# KiCad board NS32016-BC.kicad_pcb (continued)
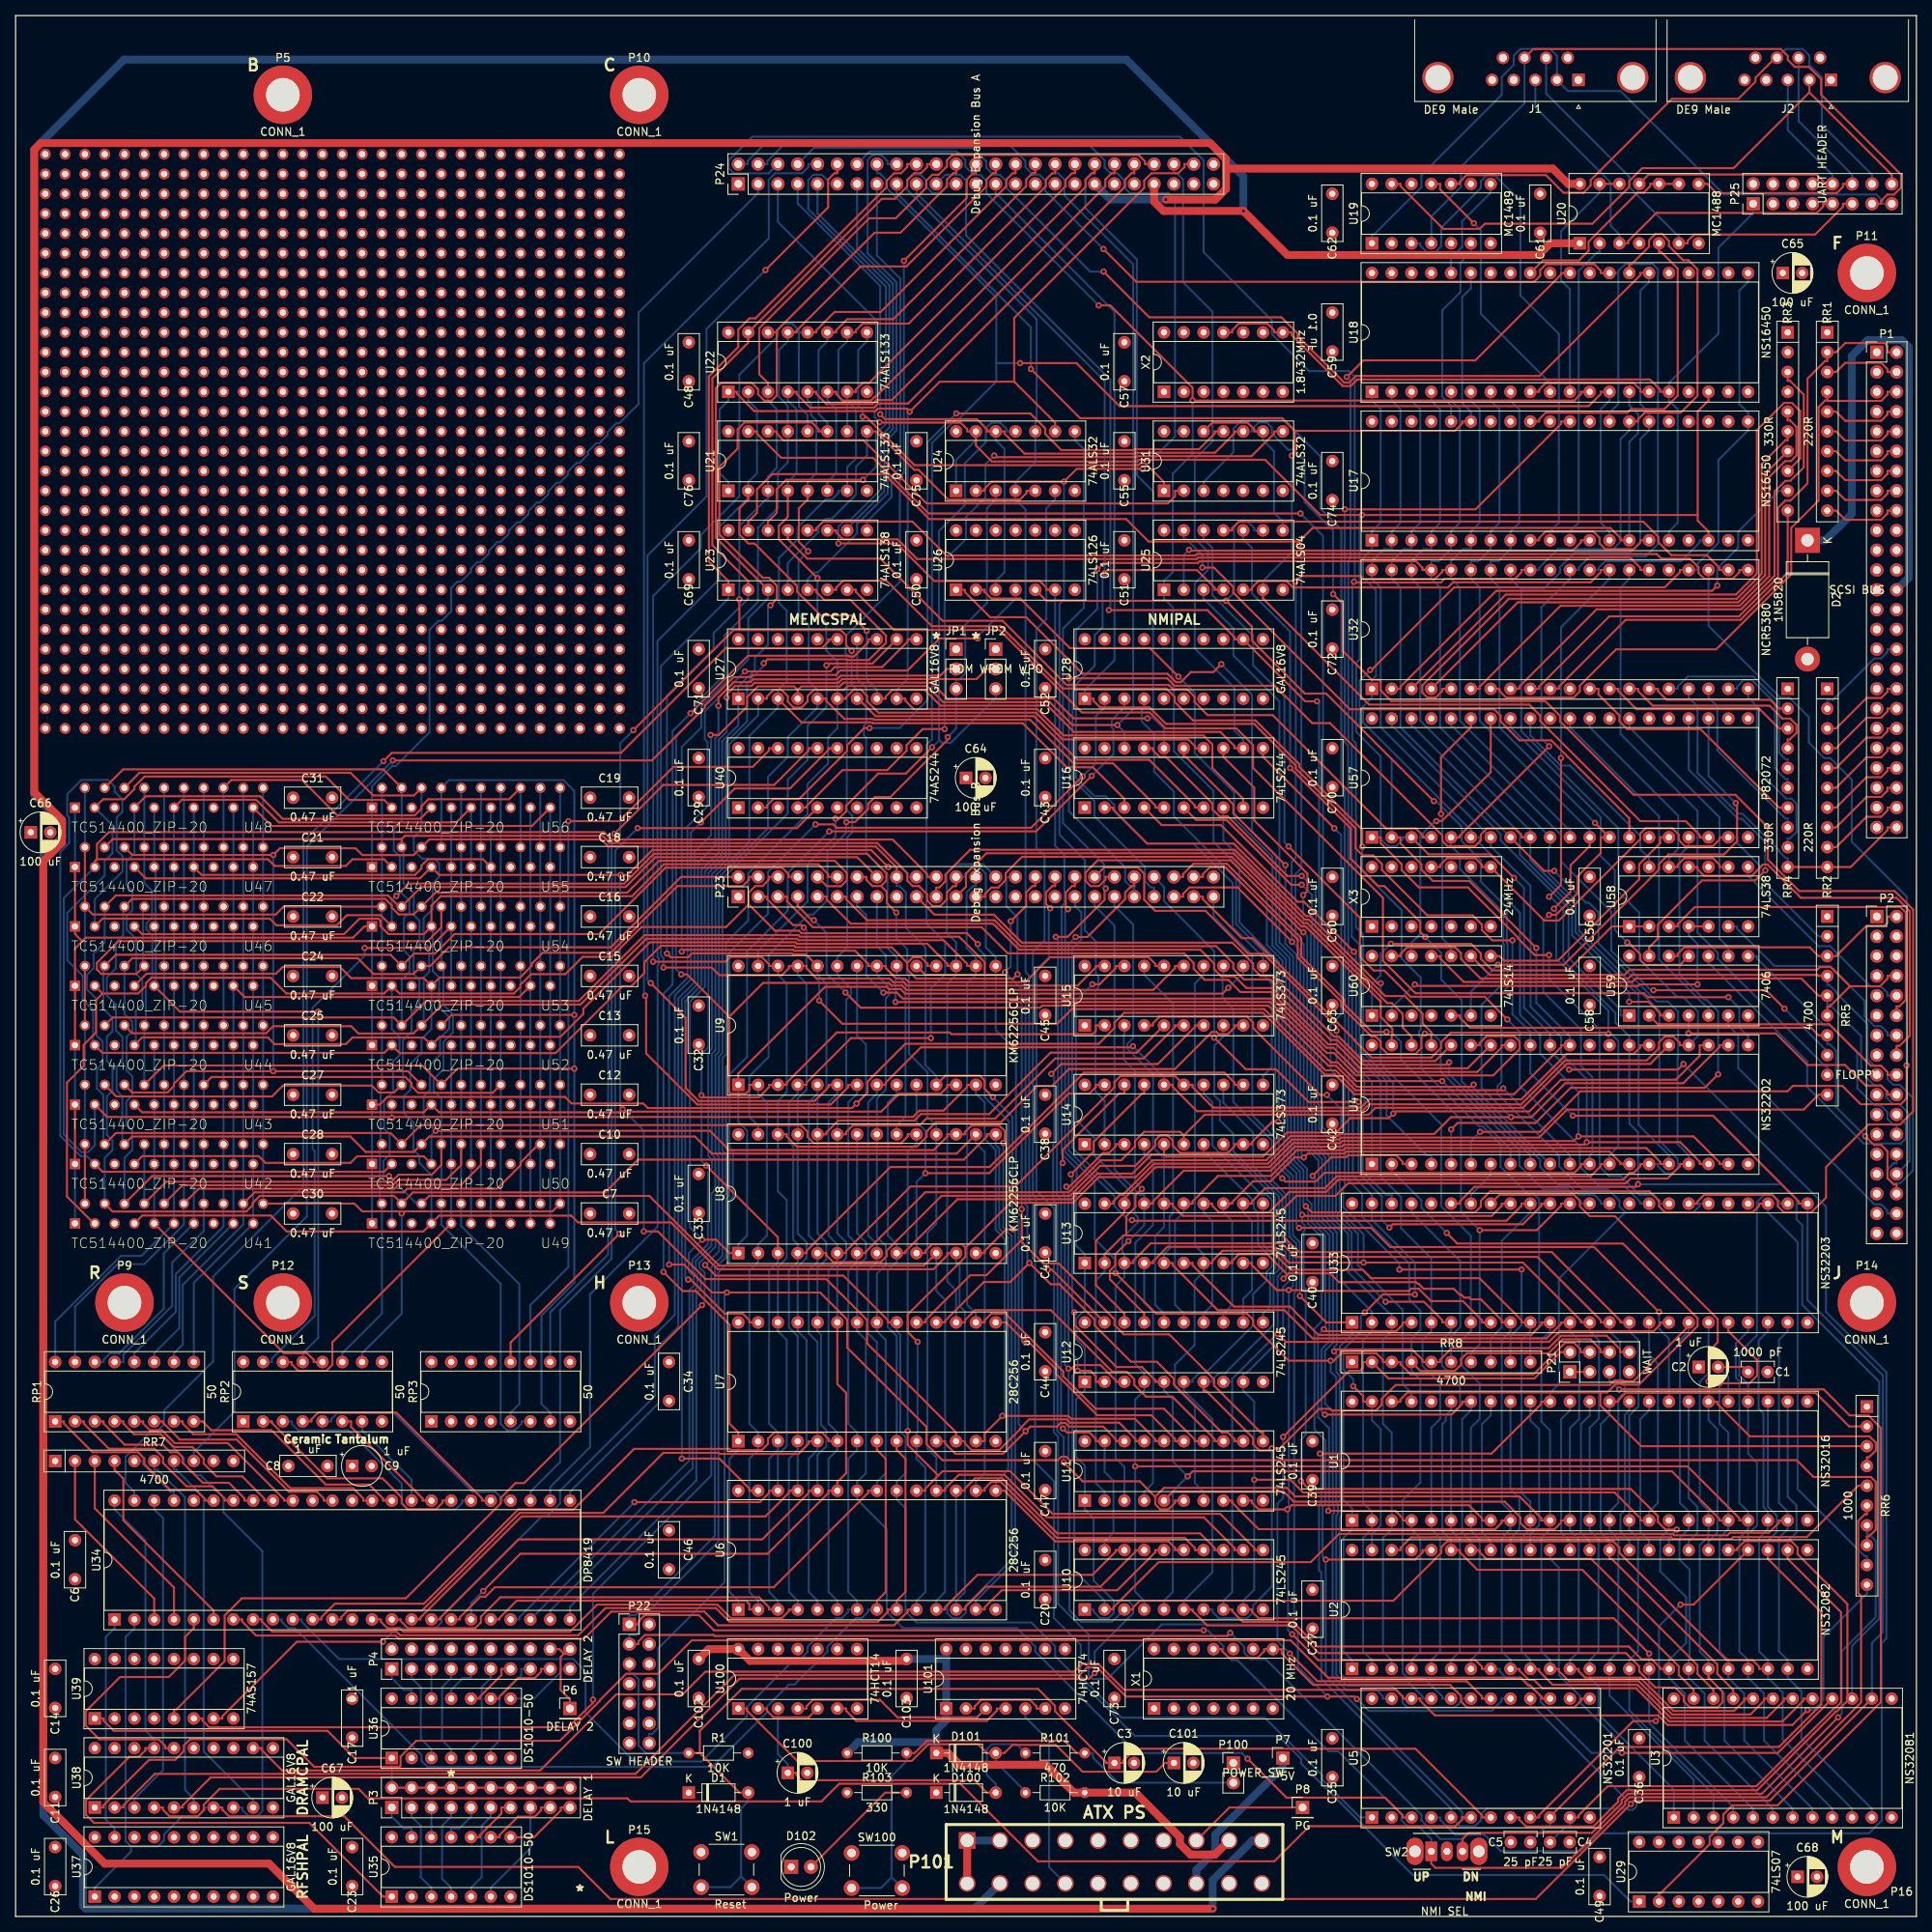
[diagram p0: board, top side]
## Footprints (pads in the part's own frame, mm; a bottom-side part is the same pattern mirrored in y, then rotated) (continued)
  round 1.397 hole 0.813: 1(-17.78,17.78) A2(-15.24,17.78) A3(-12.7,17.78) A4(-10.16,17.78) A5(-7.62,17.78) A6(-5.08,17.78) A7(-2.54,17.78) A8(0,17.78) A9(2.54,17.78) A10(5.08,17.78) A11(7.62,17.78) A12(10.16,17.78) A13(12.7,17.78) A14(15.24,17.78) A15(17.78,17.78) B1(-17.78,15.24) B2(-15.24,15.24) B3(-12.7,15.24) B4(-10.16,15.24) B5(-7.62,15.24) B6(-5.08,15.24) B7(-2.54,15.24) B8(0,15.24) B9(2.54,15.24) B10(5.08,15.24) B11(7.62,15.24) B12(10.16,15.24) B13(12.7,15.24) B14(15.24,15.24) B15(17.78,15.24) C1(-17.78,12.7) C2(-15.24,12.7) C3(-12.7,12.7) C4(-10.16,12.7) C5(-7.62,12.7) C6(-5.08,12.7) C7(-2.54,12.7) C8(0,12.7) C9(2.54,12.7) C10(5.08,12.7) C11(7.62,12.7) C12(10.16,12.7) C13(12.7,12.7) C14(15.24,12.7) C15(17.78,12.7) D1(-17.78,10.16) D2(-15.24,10.16) D3(-12.7,10.16) D4(-10.16,10.16) D5(-7.62,10.16) D6(-5.08,10.16) D7(-2.54,10.16) D8(0,10.16) D9(2.54,10.16) D10(5.08,10.16) D11(7.62,10.16) D12(10.16,10.16) D13(12.7,10.16) D14(15.24,10.16) D15(17.78,10.16) E1(-17.78,7.62) E2(-15.24,7.62) E3(-12.7,7.62) E4(-10.16,7.62) E5(-7.62,7.62) E6(-5.08,7.62) E7(-2.54,7.62) E8(0,7.62) E9(2.54,7.62) E10(5.08,7.62) E11(7.62,7.62) E12(10.16,7.62) E13(12.7,7.62) E14(15.24,7.62) E15(17.78,7.62) F1(-17.78,5.08) F2(-15.24,5.08) F3(-12.7,5.08) F4(-10.16,5.08) F5(-7.62,5.08) F6(-5.08,5.08) F7(-2.54,5.08) F8(0,5.08) F9(2.54,5.08) F10(5.08,5.08) F11(7.62,5.08) F12(10.16,5.08) F13(12.7,5.08) F14(15.24,5.08) F15(17.78,5.08) G1(-17.78,2.54) G2(-15.24,2.54) G3(-12.7,2.54) G4(-10.16,2.54) G5(-7.62,2.54) G6(-5.08,2.54) G7(-2.54,2.54) G8(0,2.54) G9(2.54,2.54) G10(5.08,2.54) G11(7.62,2.54) G12(10.16,2.54) G13(12.7,2.54) G14(15.24,2.54) G15(17.78,2.54) H1(-17.78,0) H2(-15.24,0) H3(-12.7,0) H4(-10.16,0) H5(-7.62,0) H6(-5.08,0) H7(-2.54,0) H8(0,0) H9(2.54,0) H10(5.08,0) H11(7.62,0) H12(10.16,0) H13(12.7,0) H14(15.24,0) H15(17.78,0) J1(-17.78,-2.54) J2(-15.24,-2.54) J3(-12.7,-2.54) J4(-10.16,-2.54) J5(-7.62,-2.54) J6(-5.08,-2.54) J7(-2.54,-2.54) J8(0,-2.54) J9(2.54,-2.54) J10(5.08,-2.54) J11(7.62,-2.54) J12(10.16,-2.54) J13(12.7,-2.54) J14(15.24,-2.54) J15(17.78,-2.54) K1(-17.78,-5.08) K2(-15.24,-5.08) K3(-12.7,-5.08) K4(-10.16,-5.08) K5(-7.62,-5.08) K6(-5.08,-5.08) K7(-2.54,-5.08) K8(0,-5.08) K9(2.54,-5.08) K10(5.08,-5.08) K11(7.62,-5.08) K12(10.16,-5.08) K13(12.7,-5.08) K14(15.24,-5.08) K15(17.78,-5.08) L1(-17.78,-7.62) L2(-15.24,-7.62) L3(-12.7,-7.62) L4(-10.16,-7.62) L5(-7.62,-7.62) L6(-5.08,-7.62) L7(-2.54,-7.62) L8(0,-7.62) L9(2.54,-7.62) L10(5.08,-7.62) L11(7.62,-7.62) L12(10.16,-7.62) L13(12.7,-7.62) L14(15.24,-7.62) L15(17.78,-7.62) M1(-17.78,-10.16) M2(-15.24,-10.16) M3(-12.7,-10.16) M4(-10.16,-10.16) M5(-7.62,-10.16) M6(-5.08,-10.16) M7(-2.54,-10.16) M8(0,-10.16) M9(2.54,-10.16) M10(5.08,-10.16) M11(7.62,-10.16) M12(10.16,-10.16) M13(12.7,-10.16) M14(15.24,-10.16) M15(17.78,-10.16) N1(-17.78,-12.7) N2(-15.24,-12.7) N3(-12.7,-12.7) N4(-10.16,-12.7) N5(-7.62,-12.7) N6(-5.08,-12.7) N7(-2.54,-12.7) N8(0,-12.7) N9(2.54,-12.7) N10(5.08,-12.7) N11(7.62,-12.7) N12(10.16,-12.7) N13(12.7,-12.7) N14(15.24,-12.7) N15(17.78,-12.7) P1(-17.78,-15.24) P2(-15.24,-15.24) P3(-12.7,-15.24) P4(-10.16,-15.24) P5(-7.62,-15.24) P6(-5.08,-15.24) P7(-2.54,-15.24) P8(0,-15.24) P9(2.54,-15.24) P10(5.08,-15.24) P11(7.62,-15.24) P12(10.16,-15.24) P13(12.7,-15.24) P14(15.24,-15.24) P15(17.78,-15.24) Q1(-17.78,-17.78) Q2(-15.24,-17.78) Q3(-12.7,-17.78) Q4(-10.16,-17.78) Q5(-7.62,-17.78) Q6(-5.08,-17.78) Q7(-2.54,-17.78) Q8(0,-17.78) Q9(2.54,-17.78) Q10(5.08,-17.78) Q11(7.62,-17.78) Q12(10.16,-17.78) Q13(12.7,-17.78) Q14(15.24,-17.78) Q15(17.78,-17.78)
PinHeader_1x01_P2.54mm_Vertical
  rect 1.7x1.7 hole 1: 1(0,0)
PinHeader_1x02_P2.54mm_Vertical
  rect 1.7x1.7 hole 1: 1(0,0)
  oval 1.7x1.7 hole 1: 2(0,-2.54)
PinHeader_1x03_P2.54mm_Vertical
  rect 1.7x1.7 hole 1: 1(0,0)
  oval 1.7x1.7 hole 1: 2(0,-2.54) 3(0,-5.08)
PinHeader_2x04_P2.54mm_Vertical
  rect 1.7x1.7 hole 1: 1(0,0)
  oval 1.7x1.7 hole 1: 2(2.54,0) 3(0,-2.54) 4(2.54,-2.54) 5(0,-5.08) 6(2.54,-5.08) 7(0,-7.62) 8(2.54,-7.62)
PinHeader_2x07_P2.54mm_Vertical
  rect 1.7x1.7 hole 1: 1(0,0)
  oval 1.7x1.7 hole 1: 2(2.54,0) 3(0,-2.54) 4(2.54,-2.54) 5(0,-5.08) 6(2.54,-5.08) 7(0,-7.62) 8(2.54,-7.62) 9(0,-10.16) 10(2.54,-10.16) 11(0,-12.7) 12(2.54,-12.7) 13(0,-15.24) 14(2.54,-15.24)
PinHeader_2x08_P2.54mm_Vertical
  rect 1.7x1.7 hole 1: 1(0,0)
  oval 1.7x1.7 hole 1: 2(2.54,0) 3(0,-2.54) 4(2.54,-2.54) 5(0,-5.08) 6(2.54,-5.08) 7(0,-7.62) 8(2.54,-7.62) 9(0,-10.16) 10(2.54,-10.16) 11(0,-12.7) 12(2.54,-12.7) 13(0,-15.24) 14(2.54,-15.24) 15(0,-17.78) 16(2.54,-17.78)
PinHeader_2x10_P2.54mm_Vertical
  rect 1.7x1.7 hole 1: 1(0,0)
  oval 1.7x1.7 hole 1: 2(2.54,0) 3(0,-2.54) 4(2.54,-2.54) 5(0,-5.08) 6(2.54,-5.08) 7(0,-7.62) 8(2.54,-7.62) 9(0,-10.16) 10(2.54,-10.16) 11(0,-12.7) 12(2.54,-12.7) 13(0,-15.24) 14(2.54,-15.24) 15(0,-17.78) 16(2.54,-17.78) 17(0,-20.32) 18(2.54,-20.32) 19(0,-22.86) 20(2.54,-22.86)
PinHeader_2x17_P2.54mm_Vertical
  rect 1.7x1.7 hole 1: 1(0,0)
  oval 1.7x1.7 hole 1: 2(2.54,0) 3(0,-2.54) 4(2.54,-2.54) 5(0,-5.08) 6(2.54,-5.08) 7(0,-7.62) 8(2.54,-7.62) 9(0,-10.16) 10(2.54,-10.16) 11(0,-12.7) 12(2.54,-12.7) 13(0,-15.24) 14(2.54,-15.24) 15(0,-17.78) 16(2.54,-17.78) 17(0,-20.32) 18(2.54,-20.32) 19(0,-22.86) 20(2.54,-22.86) 21(0,-25.4) 22(2.54,-25.4) 23(0,-27.94) 24(2.54,-27.94) 25(0,-30.48) 26(2.54,-30.48) 27(0,-33.02) 28(2.54,-33.02) 29(0,-35.56) 30(2.54,-35.56) 31(0,-38.1) 32(2.54,-38.1) 33(0,-40.64) 34(2.54,-40.64)
PinHeader_2x25_P2.54mm_Vertical
  rect 1.7x1.7 hole 1: 1(0,0)
  oval 1.7x1.7 hole 1: 2(2.54,0) 3(0,-2.54) 4(2.54,-2.54) 5(0,-5.08) 6(2.54,-5.08) 7(0,-7.62) 8(2.54,-7.62) 9(0,-10.16) 10(2.54,-10.16) 11(0,-12.7) 12(2.54,-12.7) 13(0,-15.24) 14(2.54,-15.24) 15(0,-17.78) 16(2.54,-17.78) 17(0,-20.32) 18(2.54,-20.32) 19(0,-22.86) 20(2.54,-22.86) 21(0,-25.4) 22(2.54,-25.4) 23(0,-27.94) 24(2.54,-27.94) 25(0,-30.48) 26(2.54,-30.48) 27(0,-33.02) 28(2.54,-33.02) 29(0,-35.56) 30(2.54,-35.56) 31(0,-38.1) 32(2.54,-38.1) 33(0,-40.64) 34(2.54,-40.64) 35(0,-43.18) 36(2.54,-43.18) 37(0,-45.72) 38(2.54,-45.72) 39(0,-48.26) 40(2.54,-48.26) 41(0,-50.8) 42(2.54,-50.8) 43(0,-53.34) 44(2.54,-53.34) 45(0,-55.88) 46(2.54,-55.88) 47(0,-58.42) 48(2.54,-58.42) 49(0,-60.96) 50(2.54,-60.96)
R_Array_SIP10
  rect 1.6x1.6 hole 0.8: 1(0,0)
  oval 1.6x1.6 hole 0.8: 2(2.54,0) 3(5.08,0) 4(7.62,0) 5(10.16,0) 6(12.7,0) 7(15.24,0) 8(17.78,0) 9(20.32,0) 10(22.86,0)
R_Axial_DIN0204_L3.6mm_D1.6mm_P7.62mm_Horizontal
  round 1.4 hole 0.7: 1(0,0)
  oval 1.4x1.4 hole 0.7: 2(7.62,0)
SW_CuK_OS102011MA1QN1_SPDT_Angled
  oval 2.2x3.5 hole 1.5: (-2.1,0) (6.1,0)
  rect 1.5x2.5 hole 0.9: 1(0,0)
  oval 1.5x2.5 hole 0.9: 2(2,0) 3(4,0)
SW_PUSH_6mm
  round 2 hole 1.1: 1(0,0) 1(6.5,0) 2(0,-4.5) 2(6.5,-4.5)
TC14400_ZIP-20
  rect 1.321x1.321 hole 0.813: 1(-12.065,-1.27)
  round 1.321 hole 0.813: 2(-10.795,1.27) 3(-9.525,-1.27) 4(-8.255,1.27) 5(-6.985,-1.27) 6(-5.715,1.27) 7(-4.445,-1.27) 8(-3.175,1.27) 9(-1.905,-1.27) 10(-0.635,1.27) 11(0.635,-1.27) 12(1.905,1.27) 13(3.175,-1.27) 14(4.445,1.27) 15(5.715,-1.27) 16(6.985,1.27) 17(8.255,-1.27) 18(9.525,1.27) 19(10.795,-1.27) 20(12.065,1.27)

## Nets
5VSB: C102.1 C103.1 D100.1 D101.1 P101.17 R100.1 R102.2 U100.14 U101.1 U101.14
+12V: P24.37 P101.19 U20.14
-5V: P7.1 P101.16
-12V: P24.43 P101.4 U20.1
/VDD: P101.1 P101.2 P101.3
GND: C1.2 C2.1 C3.2 C4.2 C5.2 C6.2 C7.2 C8.2 C9.2 C10.2 C11.2 C12.2 C13.2 C14.2 C15.2 C16.2 C17.2 C18.2 C19.2 C20.2 C21.2 C22.2 C23.2 C24.2 C25.2 C26.2 C27.2 C28.2 C29.2 C30.2 C31.2 C32.2 C33.2 C34.2 C35.2 C36.2 C37.2 C38.2 C39.2 C40.2 C41.2 C42.2 C43.2 C44.2 C45.2 C46.2 C47.2 C48.2 C49.2 C50.2 C51.2 C52.2 C55.2 C56.2 C57.2 C58.2 C59.2 C60.2 C61.2 C62.2 C63.2 C64.2 C65.2 C66.2 C67.2 C68.2 C69.2 C70.2 C71.2 C72.2 C73.2 C74.2 C75.2 C76.2 C100.2 C101.2 C102.2 C103.2 D102.1 J1.0 J1.5 J2.0 J2.5 P1.1 P1.3 P1.5 P1.7 P1.9 P1.11 P1.13 P1.15 P1.17 P1.19 P1.20 P1.21 P1.22 P1.23 P1.24 P1.27 P1.28 P1.29 P1.30 P1.31 P1.33 P1.34 P1.35 P1.37 P1.39 P1.41 P1.43 P1.45 P1.47 P1.49 P2.1 P2.3 P2.5 P2.7 P2.9 P2.11 P2.13 P2.15 P2.17 P2.19 P2.21 P2.23 P2.25 P2.27 P2.29 P2.31 P2.33 P5.1 P9.1 P10.1 P11.1 P12.1 P13.1 P14.1 P15.1 P16.1 P22.7 P22.13 P23.1 P23.50 P24.1 P24.50 P25.4 P25.7 P25.8 P100.1 P101.5 P101.6 P101.9 P101.10 P101.12 P101.13 P101.14 RR3.1 RR4.1 SW1.1 SW2.2 SW100.1 U1.24 U1.25 U2.24 U2.25 U3.12 U3.13 U4.20 U4.28 U5.2 U5.12 U6.14 U7.14 U8.14 U9.14 U10.10 U11.10 U12.10 U13.10 U14.1 U14.10 U15.1 U15.10 U16.1 U16.10 U16.19 U17.19 U17.20 U17.22 U17.25 U17.37 U17.38 U17.39 U18.19 U18.20 U18.22 U18.25 U18.37 U18.38 U18.39 U19.7 U20.7 U21.8 U22.8 U23.8 U24.7 U25.7 U26.7 U26.9 U26.10 U26.12 U26.13 U27.10 U28.10 U28.11 U29.3 U29.5 U29.7 U29.9 U29.11 U29.13 U31.4 U31.5 U31.7 U32.11 U33.24 U34.13 U34.38 U35.7 U36.7 U37.2 U37.3 U37.4 U37.5 U37.6 U37.7 U37.8 U37.9 U37.10 U37.11 U38.10 U38.11 U39.2 U39.3 U39.8 U39.10 U39.11 U39.13 U39.14 U39.15 U40.1 U40.6 U40.8 U40.10 U40.11 U40.13 U40.17 U40.19 U41.5 U42.5 U43.5 U44.5 U45.5 U46.5 U47.5 U48.5 U49.5 U50.5 U51.5 U52.5 U53.5 U54.5 U55.5 U56.5 U57.15 U57.21 U57.22 U57.25 U57.26 U58.7 U59.7 U60.3 U60.7 U100.7 U101.7 X1.4 X1.7 X2.4 X2.7 X3.4 X3.7
VCC: C6.1 C7.1 C8.1 C9.1 C10.1 C11.1 C12.1 C13.1 C14.1 C15.1 C16.1 C17.1 C18.1 C19.1 C20.1 C21.1 C22.1 C23.1 C24.1 C25.1 C26.1 C27.1 C28.1 C29.1 C30.1 C31.1 C32.1 C33.1 C34.1 C35.1 C36.1 C37.1 C38.1 C39.1 C40.1 C41.1 C42.1 C43.1 C44.1 C45.1 C46.1 C47.1 C48.1 C49.1 C50.1 C51.1 C52.1 C55.1 C56.1 C57.1 C58.1 C59.1 C60.1 C61.1 C62.1 C63.1 C64.1 C65.1 C66.1 C67.1 C68.1 C69.1 C70.1 C71.1 C72.1 C73.1 C74.1 C75.1 C76.1 D1.1 D2.2 JP1.1 JP2.1 P22.2 P23.17 P23.33 P24.25 P24.49 P101.7 P101.11 P101.18 P101.20 R1.2 R103.1 RR1.1 RR2.1 RR5.1 RR6.1 RR7.1 RR8.1 U1.48 U2.48 U3.24 U4.40 U5.24 U6.28 U7.28 U8.28 U9.28 U10.20 U11.20 U12.20 U13.20 U14.20 U15.20 U16.20 U17.40 U18.40 U19.14 U21.16 U22.16 U23.16 U24.14 U25.14 U26.14 U27.20 U28.20 U29.14 U31.14 U32.31 U33.48 U34.36 U35.14 U36.14 U37.20 U38.20 U39.16 U40.20 U41.15 U42.15 U43.15 U44.15 U45.15 U46.15 U47.15 U48.15 U49.15 U50.15 U51.15 U52.15 U53.15 U54.15 U55.15 U56.15 U57.40 U58.14 U59.14 U60.14 X1.14 X2.14 X3.14
3st_buf: RR7.8 U26.4
+adr<0>: P24.2 U14.2 U24.2 U31.13
+adr<1>: P24.4 U4.22 U6.10 U7.10 U8.10 U9.10 U14.19 U17.28 U18.28 U32.30 U34.7 U57.5
+adr<2>: P24.6 U4.23 U6.9 U7.9 U8.9 U9.9 U14.5 U17.27 U18.27 U32.32 U34.8
+adr<3>: P24.8 U4.24 U6.8 U7.8 U8.8 U9.8 U14.16 U17.26 U18.26 U32.33 U34.9
+adr<4>: P24.10 U4.25 U6.7 U7.7 U8.7 U9.7 U14.6 U34.10
+adr<5>: P24.12 U4.26 U6.6 U7.6 U8.6 U9.6 U14.15 U34.11
+adr<6>: P24.14 U6.5 U7.5 U8.5 U9.5 U14.9 U18.12 U25.1 U34.12
+adr<7>: P24.16 U6.4 U7.4 U8.4 U9.4 U14.12 U17.13 U18.13 U34.14
+adr<8>: P24.18 U6.3 U7.3 U8.3 U9.3 U15.2 U23.5 U34.15
+adr<9>: P24.20 U6.25 U7.25 U8.25 U9.25 U15.19 U23.1 U34.16
+adr<10>: P24.22 U6.24 U7.24 U8.24 U9.24 U15.5 U22.15 U23.2 U34.17
+adr<11>: P24.24 U6.21 U7.21 U8.21 U9.21 U15.16 U22.14 U23.3 U34.18
+adr<12>: P24.26 U6.23 U7.23 U8.23 U9.23 U15.6 U21.14 U31.2 U34.19
+adr<13>: P24.28 U6.2 U7.2 U8.2 U9.2 U15.15 U21.13 U22.13 U34.20
+adr<14>: P24.30 U6.26 U7.26 U8.26 U9.26 U15.9 U21.12 U22.12 U34.21
+adr<15>: P24.32 U8.1 U9.1 U15.12 U21.11 U22.11 U27.1 U34.22
+adr<16>: P24.34 U16.18 U21.10 U22.10 U27.2 U34.23
+adr<17>: P24.36 U16.3 U21.7 U22.7 U27.3 U34.24
+adr<18>: P24.38 U16.16 U21.6 U22.6 U27.4 U34.25
+adr<19>: P24.40 U16.5 U21.5 U22.5 U27.5 U39.5
+adr<20>: P24.42 U16.14 U21.4 U22.4 U27.6 U39.6
+adr<21>: P24.44 U16.7 U21.3 U22.3 U27.7 U34.27
+adr<22>: P24.46 U16.12 U21.2 U22.2 U27.8 U34.26
+adr<23>: P24.48 U16.9 U21.1 U22.1 U24.9 U27.9
+ads: RR7.4 U34.6
+cpu_a<16>: U1.7 U2.7 U16.2 U33.7
+cpu_a<17>: U1.6 U2.6 U16.17 U33.6
+cpu_a<18>: U1.5 U2.5 U16.4 U33.5
+cpu_a<19>: U1.4 U2.4 U16.15 U33.4
+cpu_a<20>: U1.3 U2.3 U16.6 U33.3
+cpu_a<21>: U1.2 U2.2 U16.13 U33.2
+cpu_a<22>: U1.1 U2.1 U16.8 U33.1
+cpu_a<23>: U1.47 U2.47 U16.11 U33.47
+cpu_ad<0>: U1.23 U2.23 U3.11 U10.2 U12.2 U14.3 U33.23
+cpu_ad<1>: U1.22 U2.22 U3.10 U10.3 U12.3 U14.18 U33.22
+cpu_ad<2>: U1.21 U2.21 U3.9 U10.4 U12.4 U14.4 U33.21
+cpu_ad<3>: U1.20 U2.20 U3.8 U10.5 U12.5 U14.17 U33.20
+cpu_ad<4>: U1.19 U2.19 U3.7 U10.6 U12.6 U14.7 U33.19
+cpu_ad<5>: U1.18 U2.18 U3.6 U10.7 U12.7 U14.14 U33.18
+cpu_ad<6>: U1.17 U2.17 U3.5 U10.8 U12.8 U14.8 U33.17
+cpu_ad<7>: U1.16 U2.16 U3.4 U10.9 U12.9 U14.13 U33.16
+cpu_ad<8>: U1.15 U2.15 U3.3 U11.2 U13.2 U15.3 U33.15
+cpu_ad<9>: U1.14 U2.14 U3.2 U11.3 U13.3 U15.18 U33.14
+cpu_ad<10>: U1.13 U2.13 U3.1 U11.4 U13.4 U15.4 U33.13
+cpu_ad<11>: U1.12 U2.12 U3.20 U11.5 U13.5 U15.17 U33.12
+cpu_ad<12>: U1.11 U2.11 U3.19 U11.6 U13.6 U15.7 U33.11
+cpu_ad<13>: U1.10 U2.10 U3.18 U11.7 U13.7 U15.14 U33.10
+cpu_ad<14>: U1.9 U2.9 U3.17 U11.8 U13.8 U15.8 U33.9
+cpu_ad<15>: U1.8 U2.8 U3.16 U11.9 U13.9 U15.13 U33.8
+cts1_rs232: J1.8 P25.13 U19.4
+cts2_rs232: J2.8 P25.14 U19.10
+cttl: P24.27 U3.14 U4.32 U5.16 U28.1 U33.25 U34.2 U37.1 U38.7
+ddin_buf: U25.8 U31.9 U31.12
+dma_req0: U25.13 U57.14
+dma_req1: U25.11 U32.22
+dram_adr0<9>: U39.7 U40.15
+dram_adr1<0>: RP1.1 U34.43
+dram_adr1<1>: RP1.2 U34.42
+dram_adr1<2>: RP1.3 U34.41
+dram_adr1<3>: RP1.4 U34.40
+dram_adr1<4>: RP1.5 U34.39
+dram_adr1<5>: RP1.6 U34.37
+dram_adr1<6>: RP1.7 U34.35
+dram_adr1<7>: RP1.8 U34.34
+dram_adr1<8>: RP2.7 U34.33
+dram_adr1<9>: RP3.12 U40.5
+dram_adr2<0>: RP1.16 U41.11 U42.11 U43.11 U44.11 U45.11 U46.11 U47.11 U48.11 U49.11 U50.11 U51.11 U52.11 U53.11 U54.11 U55.11 U56.11
+dram_adr2<1>: RP1.15 U41.12 U42.12 U43.12 U44.12 U45.12 U46.12 U47.12 U48.12 U49.12 U50.12 U51.12 U52.12 U53.12 U54.12 U55.12 U56.12
+dram_adr2<2>: RP1.14 U41.13 U42.13 U43.13 U44.13 U45.13 U46.13 U47.13 U48.13 U49.13 U50.13 U51.13 U52.13 U53.13 U54.13 U55.13 U56.13
+dram_adr2<3>: RP1.13 U41.14 U42.14 U43.14 U44.14 U45.14 U46.14 U47.14 U48.14 U49.14 U50.14 U51.14 U52.14 U53.14 U54.14 U55.14 U56.14
+dram_adr2<4>: RP1.12 U41.16 U42.16 U43.16 U44.16 U45.16 U46.16 U47.16 U48.16 U49.16 U50.16 U51.16 U52.16 U53.16 U54.16 U55.16 U56.16
+dram_adr2<5>: RP1.11 U41.17 U42.17 U43.17 U44.17 U45.17 U46.17 U47.17 U48.17 U49.17 U50.17 U51.17 U52.17 U53.17 U54.17 U55.17 U56.17
+dram_adr2<6>: RP1.10 U41.18 U42.18 U43.18 U44.18 U45.18 U46.18 U47.18 U48.18 U49.18 U50.18 U51.18 U52.18 U53.18 U54.18 U55.18 U56.18
+dram_adr2<7>: RP1.9 U41.19 U42.19 U43.19 U44.19 U45.19 U46.19 U47.19 U48.19 U49.19 U50.19 U51.19 U52.19 U53.19 U54.19 U55.19 U56.19
+dram_adr2<8>: RP2.10 U41.20 U42.20 U43.20 U44.20 U45.20 U46.20 U47.20 U48.20 U49.20 U50.20 U51.20 U52.20 U53.20 U54.20 U55.20 U56.20
+dram_adr2<9>: RP3.5 U41.10 U42.10 U43.10 U44.10 U45.10 U46.10 U47.10 U48.10 U49.10 U50.10 U51.10 U52.10 U53.10 U54.10 U55.10 U56.10
+dramcpal1: RR7.6 U38.6
+dramcpal2: RR7.7 U38.9
+drv_sel0: U57.32 U58.1 U58.2 U58.13 U60.1
+eprom_a15: U6.1 U7.1 U27.13
+exp0_ir: P23.3 U4.11
+exp1_ir: P23.5 U4.33
+exp2_ir: P23.7 U4.10
+exp3_ir: P23.9 U4.34
+exp4_ir: P23.11 U4.9
+exp5_ir: P23.13 U4.35
+exp6_ir: P23.15 U4.8
+exp7_ir: P23.19 U4.36
+exp9_ir: P23.21 U4.37
+exp11_ir: P23.23 U4.38
+exp13_ir: P23.25 U4.39
+fclk: U5.15 U38.1
+fdb_dir: U57.39 U59.1
+fdb_hdsel: U57.30 U59.5
+fdb_idx: U57.16 U60.8
+fdb_ld: U57.24 U59.13
+fdb_rddata: U57.23 U60.6
+fdb_rdy: RR5.8 U57.36
+fdb_stp: U57.38 U59.3
+fdb_trk0: U57.34 U60.12
+fdb_we: U57.27 U59.9
+fdb_wp: U57.35 U60.10
+fdb_wrdata: U57.33 U59.11
+fdc_clk: RR5.2 U57.19 X3.8 X3.11
+fdc_ir: U4.5 U57.17
+io_data<0>: P23.35 U4.19 U12.18 U13.18 U17.1 U18.1 U32.1 U57.6
+io_data<1>: P23.37 U4.18 U12.17 U13.17 U17.2 U18.2 U32.40 U57.7
+io_data<2>: P23.39 U4.17 U12.16 U13.16 U17.3 U18.3 U32.39 U57.8
+io_data<3>: P23.41 U4.16 U12.15 U13.15 U17.4 U18.4 U32.38 U57.9
+io_data<4>: P23.43 U4.15 U12.14 U13.14 U17.5 U18.5 U32.37 U57.10
+io_data<5>: P23.45 U4.14 U12.13 U13.13 U17.6 U18.6 U32.36 U57.11
+io_data<6>: P23.47 U4.13 U12.12 U13.12 U17.7 U18.7 U32.35 U57.12
+io_data<7>: P23.49 U4.12 U12.11 U13.11 U17.8 U18.8 U32.34 U57.13
+m0: RR7.2 U34.3
+mem_data<0>: P23.2 U6.11 U8.11 U10.18 U41.6 U45.6 U49.6 U53.6
+mem_data<1>: P23.4 U6.12 U8.12 U10.17 U41.7 U45.7 U49.7 U53.7
+mem_data<2>: P23.6 U6.13 U8.13 U10.16 U41.3 U45.3 U49.3 U53.3
+mem_data<3>: P23.8 U6.15 U8.15 U10.15 U41.4 U45.4 U49.4 U53.4
+mem_data<4>: P23.10 U6.16 U8.16 U10.14 U42.6 U46.6 U50.6 U54.6
+mem_data<5>: P23.12 U6.17 U8.17 U10.13 U42.7 U46.7 U50.7 U54.7
+mem_data<6>: P23.14 U6.18 U8.18 U10.12 U42.3 U46.3 U50.3 U54.3
+mem_data<7>: P23.16 U6.19 U8.19 U10.11 U42.4 U46.4 U50.4 U54.4
+mem_data<8>: P23.18 U7.11 U9.11 U11.18 U43.6 U47.6 U51.6 U55.6
+mem_data<9>: P23.20 U7.12 U9.12 U11.17 U43.7 U47.7 U51.7 U55.7
+mem_data<10>: P23.22 U7.13 U9.13 U11.16 U43.3 U47.3 U51.3 U55.3
+mem_data<11>: P23.24 U7.15 U9.15 U11.15 U43.4 U47.4 U51.4 U55.4
+mem_data<12>: P23.26 U7.16 U9.16 U11.14 U44.6 U48.6 U52.6 U56.6
+mem_data<13>: P23.28 U7.17 U9.17 U11.13 U44.7 U48.7 U52.7 U56.7
+mem_data<14>: P23.30 U7.18 U9.18 U11.12 U44.3 U48.3 U52.3 U56.3
+mem_data<15>: P23.32 U7.19 U9.19 U11.11 U44.4 U48.4 U52.4 U56.4
+mmu_a24: RR6.5 U2.46
+motor: U57.29 U58.9 U58.12